# Altium PCB Evaluation Board.PcbDoc (part 4 of 22)
Units mm, origin at the board's own origin, x right, y up, seen from the top; angles counter-clockwise.
Board outline 200 x 200 mm, 4 copper layers (Top Layer, GND, Power, Bottom Layer), stack 1.56 mm thick; 639 components, 758 nets, 3043 pads, 1306 vias.
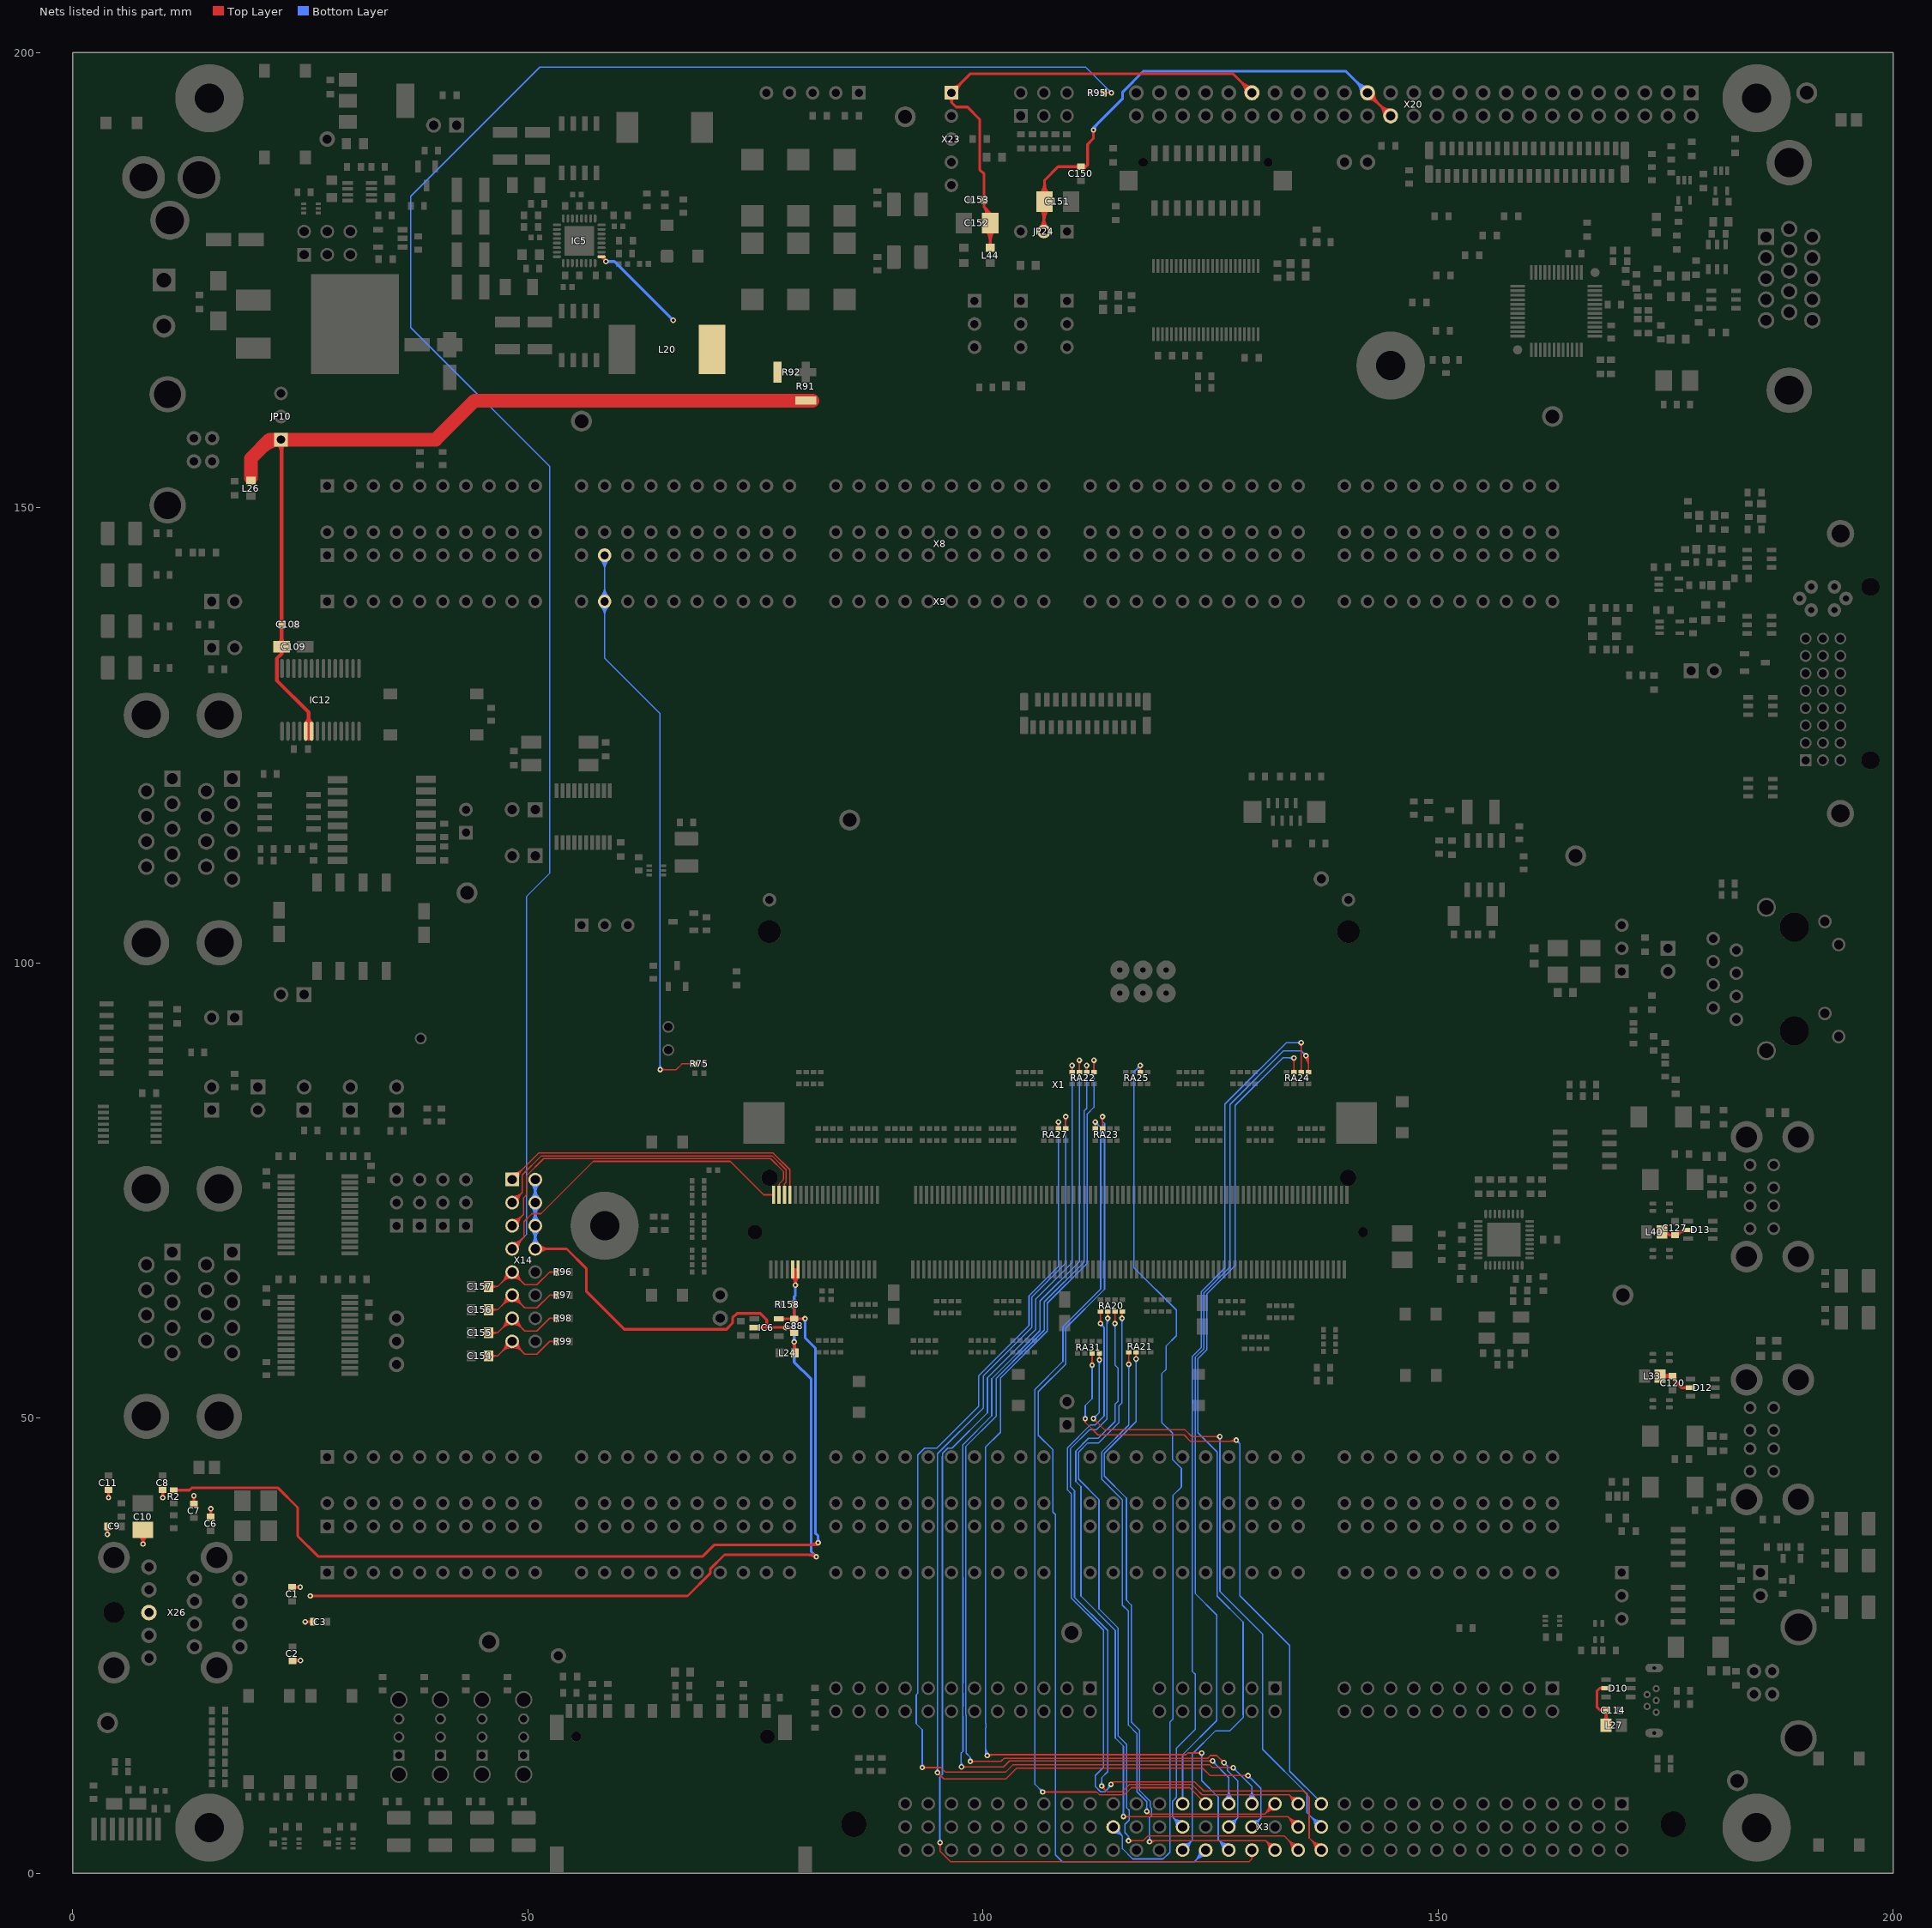
[diagram p6: the nets of this part, all layers, seen from the top]

## Via types
v1: diameter 0.6, hole 0.3, Top Layer to Bottom Layer, 1222 vias
v2: diameter 0.6, hole 0.3, Top Layer to Bottom Layer, tented both sides, 84 vias

## Nets (pads, with @x,y where several pads share a name; then routed paths per layer and width w, separated by ;. In a path a pad name is that pad's centre, name@x,y a point inside that pad or via, vN(x,y) a via of type N, cw(c..) or ccw(c..) an arc to the next point about the centre after c; other vN are vias at no path point) (continued)
5V_DISPINV: C152.1 C153.2 L44.2 X20.39 X23.1 | length 72.3
  Top Layer w0.15: X23.1@96.52,195.58 X23.1@96.545,195.555
  Top Layer w0.3: X23.1@96.227,195.057 cw(c95.922,194.513) 96.545,194.513 ; X23.1@96.52,195.58 98.62,197.68 127.44,197.68 X20.39@129.54,195.58 ; X23.1@96.52,196.18 ccw(c96.52,197.629) 97.544,196.604 ccw(c98.569,195.58) X23.1@97.12,195.58 ; X23.1@96.545,195.555 96.545,194.513 ; X23.1@96.85,195.079 ccw(c97.223,194.513) 96.545,194.513 ; C153.2@99.973,183.603 cw(c99.632,183.262) 100.114,183.262 cw(c100.597,183.262) C153.2@100.256,183.603 ; C153.2@99.973,184.036 ccw(c99.632,184.378) 100.114,184.378 ccw(c100.597,184.378) C153.2@100.256,184.036 ; C152.1@100.19,181.955 ccw(c99.539,182.444) 100.114,183.019 ; C152.1@100.259,180.524 cw(c98.979,179.244) 100.789,179.244 cw(c102.6,179.244) C152.1@101.32,180.524 ; 100.359,182.775 cw(c99.818,182.234) C152.1@100.43,181.775 ; C152.1@100.471,180.737 cw(c99.703,179.968) 100.789,179.968 cw(c101.876,179.968) C152.1@101.108,180.737 ; L44.2@100.588,178.765 ccw(c100.101,179.252) 100.789,179.252 ccw(c101.477,179.252) L44.2@100.991,178.765 ; 100.603,182.531 cw(c100.097,182.025) C152.1@100.669,181.595 ; L44.2@100.789,178.524 100.789,182.344 100.114,183.019 ; X20.39@128.865,195.58 ccw(c127.235,195.58) 128.388,196.732 ccw(c129.54,197.885) X20.39@129.54,196.255 ; X20.39@129.165,195.58 ccw(c128.26,195.58) 128.9,196.22 ccw(c129.54,196.86) X20.39@129.54,195.955 ; 96.545,194.513 97.044,194.015 98.288,194.015 99.625,192.678 99.625,187.148 100.114,186.659 C153.2@100.114,183.82 100.114,183.019
5V_ESD_1: C120.2 D12.5 L33.2 | length 9.9
  Top Layer w0.3: L33.2@174.377,54.61 C120.2@175.768,54.61 175.768,54.259 ; L33.2@174.695,54.292 cw(c175.463,53.524) 175.463,54.61 cw(c175.463,55.696) L33.2@174.695,54.928 ; 175.072,54.505 cw(c175.25,53.843) C120.2@175.593,54.437 ; 175.072,54.715 ccw(c175.25,55.377) C120.2@175.593,54.783 ; C120.2@175.552,54.469 ccw(c175.21,54.127) 175.21,54.61 ccw(c175.21,55.093) C120.2@175.552,54.751 ; C120.2@175.666,54.438 cw(c175.56,54.259) 175.768,54.259 ; C120.2@175.743,54.61 ccw(c176.529,54.61) 175.973,54.054 ; C120.2@175.87,54.438 ccw(c175.976,54.259) 175.768,54.259 ; C120.2@176.043,54.61 ccw(c177.554,54.61) 176.485,53.542 ; D12.5@177.72,53.34 176.687,53.34 175.768,54.259
5V_ESD_2: C127.2 D13.5 L40.2 | length 6
  Top Layer w0.15: D13.5@177.013,70.663 D13.5@177.466,70.663
  Top Layer w0.3: L40.2@174.586,70.433 175.067,70.433 175.4,70.1 176.013,70.1 C127.2@176.022,70.091 176.316,70.091 176.888,70.663 D13.5@177.466,70.663 ; 175.442,70.1 cw(c175.442,69.586) C127.2@175.806,69.95 ; 175.486,70.1 ccw(c175.486,70.552) C127.2@175.806,70.232 ; C127.2@176.097,70.291 ccw(c176.097,71.303) 176.812,70.587 ; 176.503,70.278 cw(c177.191,69.589) D13.5@177.191,70.563
5V_ESD_3: C114.2 D10.5 L27.1 | length 8.9
  Top Layer w0.3: L27.1@168.128,16.699 ccw(c167.36,17.467) 168.446,17.467 ccw(c169.533,17.467) L27.1@168.765,16.699 ; C114.2@168.298,17.665 cw(c167.941,17.308) 168.446,17.308 ; C114.2@168.298,17.74 ccw(c167.957,17.399) 167.957,17.882 ccw(c167.957,18.364) C114.2@168.298,18.023 ; L27.1@168.446,16.256 168.446,17.875 C114.2@168.44,17.882 167.792,17.882 167.462,18.212 167.462,20.041 167.741,20.319 D10.5@168.446,20.319 ; 168.446,17.34 cw(c168.906,17.34) C114.2@168.581,17.665
5V_PMIC: IC5.1 L20.2 R92.1 | length 12.5
  Top Layer w0.3: IC5.1@58.076,177.574 v1@58.553,177.097 ; IC5.1@58.077,177.596 ccw(c58.124,177.593) IC5.1@58.091,177.559 ; IC5.1@58.376,177.574 ccw(c58.984,177.528) v1@58.553,177.097 ; v1(58.553,177.059) v1@58.553,177.097
  Bottom Layer w0.3: v1(58.553,177.059) 59.491,177.059 v1(65.95,170.6) ; v1@58.659,176.953 cw(c58.915,176.697) 58.915,177.059 cw(c58.915,177.421) v1@58.659,177.165 ; v1@65.8,170.6 ccw(c65.438,170.6) 65.694,170.856 ccw(c65.95,171.112) v1@65.95,170.75
5V_USB_D: C108.2 C109.1 IC12.19 IC12.20 JP10.1 L26.2 R91.1 | length 116.3
  Top Layer w0.3: IC12.19@25.575,125.446 25.9,125.446 IC12.20@26.225,125.446
  Top Layer w0.4: JP10.1@22.471,157.091 cw(c21.375,155.995) 22.925,155.995 ; C109.1@22.624,135.022 ccw(c21.899,135.747) 22.925,135.747 ccw(c23.951,135.747) C109.1@23.225,135.022 ; C109.1@22.698,134.362 cw(c22.438,133.95) 22.925,133.95 ; C108.2@22.819,136.979 cw(c22.563,136.723) 22.925,136.723 cw(c23.287,136.723) C108.2@23.031,136.979 ; C108.2@22.819,137.341 ccw(c22.563,137.597) 22.925,137.597 ccw(c23.287,137.597) C108.2@23.031,137.341 ; 22.925,156.309 cw(c24.031,156.309) JP10.1@23.249,157.091 ; JP10.1@22.925,157.415 C109.1@22.925,134.721 22.925,133.95 ; C109.1@23.152,134.362 ccw(c23.412,133.95) 22.925,133.95 ; IC12.19@25.576,124.996 cw(c25.576,124.672) 25.9,124.672 ; IC12.19@25.577,125.396 cw(c25.576,125.073) 25.9,125.073 ; IC12.19@25.578,125.796 cw(c25.577,125.474) 25.9,125.474 cw(c26.224,125.473) IC12.20@26.223,125.796 ; 25.9,124.575 25.9,125.446 25.9,127.525 22.4,131.025 22.4,133.425 22.925,133.95 ; 25.9,124.671 cw(c26.225,124.671) IC12.20@26.225,124.996 ; 25.9,125.072 cw(c26.224,125.072) IC12.20@26.224,125.396 ; 25.9,125.511 cw(c27.011,125.511) 26.225,126.296 cw(c27.011,127.082) 25.9,127.082 ; 25.9,125.513 ccw(c24.792,125.513) 25.575,126.296 ccw(c24.792,127.08) 25.9,127.08
  Top Layer w1.5: L26.2@19.558,153.257 19.558,155.408 21.625,157.475 39.853,157.475 44.15,161.772 R91.1@81.25,161.772 ; 20.76,156.61 cw(c22.86,154.511) JP10.1@22.86,157.48
+V_DISPLAY: C150.2 C151.1 JP24.2 X20.28 X20.29 | length 80.4
  Top Layer w0.3: C151.1@106.224,182.887 cw(c105.122,181.785) 106.68,181.785 ; C151.1@106.224,184.397 ccw(c104.943,185.678) 106.754,185.678 ccw(c108.565,185.678) C151.1@107.284,184.397 ; JP24.2@106.256,180.764 ccw(c105.231,181.789) 106.68,181.789 ccw(c108.128,181.789) JP24.2@107.104,180.764 ; C151.1@106.436,183.099 cw(c105.846,182.509) 106.68,182.509 ; C151.1@106.436,184.185 ccw(c105.668,184.953) 106.754,184.953 ccw(c107.84,184.953) C151.1@107.072,184.185 ; JP24.2@106.68,180.34 106.68,183.568 C151.1@106.754,183.642 106.754,185.977 108.242,187.465 C150.2@110.744,187.465 111.316,187.465 111.481,187.63 ; 106.68,181.428 cw(c108.743,181.428) C151.1@107.284,182.887 ; 106.68,182.152 cw(c108.019,182.152) C151.1@107.072,183.099 ; C150.2@110.528,187.324 ccw(c110.186,186.982) 110.186,187.465 ccw(c110.186,187.948) C150.2@110.528,187.606 ; C150.2@110.753,187.39 ccw(c110.996,187.664) 111.256,187.405 ; C150.2@110.952,187.614 ccw(c111.208,187.902) 111.481,187.63 ; C150.2@110.96,187.324 cw(c111.302,186.982) 111.302,187.465 cw(c111.302,187.948) C150.2@110.96,187.606 ; v1@112.019,191.394 cw(c111.763,191.138) 112.125,191.138 cw(c112.487,191.138) v1@112.231,191.394 ; v1(112.125,191.5) 112.125,190.56 111.481,189.916 111.481,187.63 ; X20.29@142.24,194.905 cw(c142.24,193.275) 143.392,194.428 cw(c144.545,195.58) X20.29@142.915,195.58 ; X20.29@142.24,195.205 cw(c142.24,194.3) 142.88,194.94 cw(c143.52,195.58) X20.29@142.615,195.58 ; X20.29@142.24,195.58 X20.28@144.78,193.04 ; X20.28@144.105,193.04 ccw(c142.475,193.04) 143.628,194.192 ccw(c144.78,195.345) X20.28@144.78,193.715 ; X20.28@144.405,193.04 ccw(c143.5,193.04) 144.14,193.68 ccw(c144.78,194.32) X20.28@144.78,193.415
  Bottom Layer w0.3: v1(112.125,191.5) 112.09,191.534 112.09,191.697 115.335,194.942 115.335,195.666 117.619,197.95 139.87,197.95 X20.29@142.24,195.58 ; v1@112.275,191.5 cw(c113.196,191.5) 112.545,192.152 ; X20.29@141.565,195.58 ccw(c139.935,195.58) 141.088,196.732 ccw(c142.24,197.885) X20.29@142.24,196.255 ; X20.29@141.865,195.58 ccw(c140.96,195.58) 141.6,196.22 ccw(c142.24,196.86) X20.29@142.24,195.955
ADDR_0: RA31.6 X3.A14 | length 75.1
  Top Layer w0.15: v1@111.111,49.731 cw(c110.994,49.532) 111.225,49.532 ; v1(111.225,49.925) 111.225,49.532 ; v1@111.339,49.731 ccw(c111.456,49.532) 111.225,49.532 ; v1@111.817,55.963 ccw(c111.433,56.347) 111.976,56.347 ccw(c112.519,56.347) v1@112.135,55.963 ; RA31.6@111.852,56.996 cw(c111.554,56.697) 111.976,56.697 cw(c112.398,56.697) RA31.6@112.1,56.996 ; v1(111.976,55.804) RA31.6@111.976,57.12 ; 126.922,47.43 ccw(c126.922,48.465) v1@127.654,47.733 ; 127.284,47.43 ccw(c127.284,48.103) v1@127.76,47.627 ; v1(127.813,47.574) 127.669,47.43 122.801,47.43 122.081,48.15 112.607,48.15 111.225,49.532
  Bottom Layer w0.15: v1@111.066,50.084 ccw(c110.682,50.468) 111.225,50.468 ccw(c111.768,50.468) v1@111.384,50.084 ; v1(111.225,49.925) 111.225,51.375 111.976,52.126 v1(111.976,55.804) ; v1@111.817,55.645 cw(c111.433,55.261) 111.976,55.261 cw(c112.519,55.261) v1@112.135,55.645 ; v1@127.813,47.349 cw(c127.813,46.806) 128.197,47.19 cw(c128.581,47.574) v1@128.038,47.574 ; v1(127.813,47.574) 128.203,47.184 128.203,30.472 133.675,25 133.675,11.214 137.16,7.729 X3.A14@137.16,7.62
ADDR_1: RA31.5 X3.B14 | length 80.6
  Top Layer w0.15: v1@112.116,49.711 cw(c112.116,49.168) 112.5,49.552 cw(c112.884,49.936) v1@112.341,49.936 ; v1(112.116,49.936) 113.348,48.704 122.196,48.704 122.945,47.955 v1(126.009,47.955) ; RA31.5@112.652,56.996 cw(c112.354,56.697) 112.776,56.697 cw(c113.198,56.697) RA31.5@112.9,56.996 ; v1(112.776,56.388) RA31.5@112.776,57.12 ; v1@125.85,47.796 ccw(c125.466,47.412) 125.466,47.955 ccw(c125.466,48.498) v1@125.85,48.114
  Bottom Layer w0.15: v1(112.116,49.936) 112.776,50.597 v1(112.776,56.388) ; v1@112.116,50.161 ccw(c112.116,50.705) 112.5,50.321 ccw(c112.884,49.936) v1@112.341,49.936 ; v1@112.617,56.229 cw(c112.233,55.845) 112.776,55.845 cw(c113.319,55.845) v1@112.935,56.229 ; v1@125.85,47.796 cw(c125.429,47.374) 126.025,47.374 ; 126.025,47.45 cw(c126.515,47.45) v1@126.168,47.796 ; v1@126.025,47.955 126.025,30.95 130.718,26.257 130.718,13.615 135.595,8.738 135.595,6.645 X3.B14@137.16,5.08 ; X3.B14@136.485,5.08 ccw(c134.855,5.08) 136.008,6.232 ccw(c137.16,7.385) X3.B14@137.16,5.755 ; X3.B14@136.635,5.08 ccw(c135.368,5.08) 136.264,5.976 ccw(c137.16,6.872) X3.B14@137.16,5.605 ; X3.B14@136.785,5.08 ccw(c135.88,5.08) 136.52,5.72 ccw(c137.16,6.36) X3.B14@137.16,5.455
ADDR_2: RA20.8 X3.C14 | length 97.7
  Top Layer w0.15: v1@112.732,60.535 ccw(c112.347,60.919) 112.891,60.919 ccw(c113.434,60.919) v1@113.05,60.535 ; RA20.8@112.767,61.568 cw(c112.468,61.269) 112.891,61.269 cw(c113.313,61.269) RA20.8@113.014,61.568 ; v1(112.891,60.376) RA20.8@112.891,61.692 ; v1(114.05,9.75) 114.325,10.025 ; v1@114.109,9.967 ccw(c114.167,10.183) 114.325,10.025 ; v1@114.267,9.809 cw(c114.483,9.867) 114.325,10.025 ; X3.C14@136.485,2.54 ccw(c134.855,2.54) 136.008,3.692 ccw(c137.16,4.845) X3.C14@137.16,3.215 ; X3.C14@136.635,2.54 ccw(c135.368,2.54) 136.264,3.436 ccw(c137.16,4.332) X3.C14@137.16,3.065 ; X3.C14@136.785,2.54 ccw(c135.88,2.54) 136.52,3.18 ccw(c137.16,3.82) X3.C14@137.16,2.915 ; X3.C14@137.16,2.54 135.825,3.875 135.825,8.382 135.182,9.025 124.25,9.025 123.25,10.025 114.325,10.025
  Bottom Layer w0.15: v1@112.891,60.151 cw(c112.891,59.608) 113.275,59.992 cw(c113.659,60.376) v1@113.116,60.376 ; v1(112.891,60.376) 113.301,59.965 113.301,50.226 112.325,49.25 111.79,49.25 109.285,46.745 109.285,42.09 109.675,41.7 109.675,30.249 113.225,26.699 113.225,11.631 112.325,10.731 112.325,9.525 112.9,8.95 113.395,8.95 114.05,9.605 v1(114.05,9.75) ; 113.564,9.119 ccw(c112.932,9.75) v1@113.825,9.75 ; 113.82,9.375 ccw(c113.444,9.75) v1@113.975,9.75 ; 113.913,9.468 cw(c114.05,9.331) v1@114.05,9.525
ADDR_3: RA20.7 X3.A15 | length 87.6
  Top Layer w0.15: v1@113.025,9.35 cw(c113.025,8.928) 113.324,9.226 ; v1(113.025,9.575) 113.025,9.525 113.626,8.924 115.249,8.924 116.048,9.723 122.951,9.723 123.381,9.294 124.064,8.611 133.629,8.611 ; v1@113.25,9.575 ccw(c113.914,9.575) 113.444,9.106 ; RA20.7@113.567,61.568 cw(c113.268,61.269) 113.691,61.269 cw(c114.113,61.269) RA20.7@113.814,61.568 ; v1(113.691,60.96) RA20.7@113.691,61.692 ; X3.A15@133.949,7.696 ccw(c132.84,7.821) 133.629,8.611 ; X3.A15@134.098,7.679 ccw(c133.236,7.777) 133.85,8.39 ccw(c134.463,9.004) X3.A15@134.561,8.142 ; X3.A15@134.247,7.662 ccw(c133.631,7.732) 134.07,8.17 ccw(c134.508,8.609) X3.A15@134.578,7.993 ; X3.A15@134.544,8.291 cw(c134.419,9.4) 133.629,8.611 ; X3.A15@134.62,7.62 133.629,8.611
  Bottom Layer w0.15: v1@112.866,9.734 ccw(c112.482,10.118) 113.025,10.118 ccw(c113.568,10.118) v1@113.184,9.734 ; v1(113.025,9.575) 113.025,10.475 113.7,11.15 113.7,26.648 110.05,30.298 110.05,42.025 109.585,42.49 109.585,46.621 111.689,48.725 112.45,48.725 113.623,49.898 113.623,60.892 v1(113.691,60.96) ; v1@113.532,60.801 cw(c113.312,60.581) 113.623,60.581 ; 113.623,60.253 cw(c114.398,60.253) v1@113.85,60.801 ; 113.623,60.615 cw(c114.036,60.615) v1@113.744,60.907
ADDR_4: RA20.6 X3.B15 | length 89.8
  Top Layer w0.15: v1@114.332,60.535 ccw(c113.947,60.919) 114.491,60.919 ccw(c115.034,60.919) v1@114.65,60.535 ; RA20.6@114.367,61.568 cw(c114.068,61.269) 114.491,61.269 cw(c114.913,61.269) RA20.6@114.614,61.568 ; v1(114.491,60.376) RA20.6@114.491,61.692 ; v2(115.418,6.223) 115.443,6.198 133.502,6.198 ; v2@115.577,6.064 cw(c115.899,5.741) 115.899,6.198 ; v2@115.577,6.382 ccw(c116.022,6.828) 116.022,6.198 ; X3.B15@133.945,5.095 ccw(c132.433,5.128) 133.502,6.198 ; X3.B15@134.095,5.091 ccw(c132.919,5.117) 133.751,5.949 ccw(c134.583,6.781) X3.B15@134.609,5.605 ; X3.B15@134.245,5.088 ccw(c133.405,5.107) 133.999,5.701 ccw(c134.593,6.295) X3.B15@134.612,5.455 ; X3.B15@134.605,5.755 cw(c134.572,7.267) 133.502,6.198 ; X3.B15@134.62,5.08 133.502,6.198
  Bottom Layer w0.15: v1@114.332,60.217 cw(c113.947,59.833) 114.491,59.833 cw(c115.034,59.833) v1@114.65,60.217 ; v1(114.491,60.376) 114.491,55.809 114.825,55.475 114.825,51.85 114.491,51.516 114.491,49.616 112.65,47.775 111.588,47.775 110.185,46.372 110.185,43.04 110.75,42.475 110.75,30.446 114.527,26.669 114.527,14.844 115.418,13.954 v2(115.418,6.223) ; v2@115.259,6.382 ccw(c114.874,6.766) 115.418,6.766 ccw(c115.961,6.766) v2@115.577,6.382
ADDR_5: RA20.5 X3.C15 | length 92.1
  Top Layer w0.15: RA20.5@115.117,61.568 cw(c114.759,61.21) v1@115.265,61.21 ; v1(115.265,60.96) 115.265,61.667 RA20.5@115.291,61.692 ; 115.265,61.329 cw(c115.604,61.329) RA20.5@115.364,61.568 ; v2(115.976,3.556) 117.582,3.556 118.102,4.076 133.084,4.076 X3.C15@134.62,2.54 ; v2@116.135,3.397 cw(c116.52,3.013) 116.52,3.556 cw(c116.52,4.099) v2@116.135,3.715 ; X3.C15@133.945,2.54 ccw(c132.315,2.54) 133.468,3.692 ccw(c134.62,4.845) X3.C15@134.62,3.215 ; X3.C15@134.095,2.54 ccw(c132.828,2.54) 133.724,3.436 ccw(c134.62,4.332) X3.C15@134.62,3.065 ; X3.C15@134.245,2.54 ccw(c133.34,2.54) 133.98,3.18 ccw(c134.62,3.82) X3.C15@134.62,2.915
  Bottom Layer w0.15: v1@115.106,60.801 cw(c114.722,60.417) 115.265,60.417 cw(c115.808,60.417) v1@115.424,60.801 ; v1(115.265,60.96) 115.265,51.669 114.943,51.348 114.943,49.518 112.7,47.275 111.512,47.275 110.485,46.248 110.485,43.294 112.735,41.044 112.735,29.04 114.85,26.925 114.85,15.075 115.79,14.135 115.79,7.171 116.05,6.911 116.05,5.839 115.575,5.364 115.575,4.45 115.976,4.049 ; v2@115.829,3.726 ccw(c115.55,4.049) 115.976,4.049 ; v2(115.976,3.556) 115.976,4.049 ; v2@116.124,3.726 cw(c116.403,4.049) 115.976,4.049
ADDR_6: RA21.8 X3.A16 | length 77.9
  Top Layer w0.15: v1@115.856,56.064 ccw(c115.472,56.449) 116.015,56.449 ccw(c116.558,56.449) v1@116.174,56.064 ; RA21.8@115.891,57.098 cw(c115.592,56.799) 116.015,56.799 cw(c116.437,56.799) RA21.8@116.139,57.098 ; v1(116.015,55.905) RA21.8@116.015,57.222 ; v2(117.983,6.782) 118.267,6.498 ; v2@118.035,6.563 cw(c118.093,6.323) 118.267,6.498 ; v2@118.202,6.729 ccw(c118.441,6.672) 118.267,6.498 ; X3.A16@131.405,7.607 cw(c129.877,7.579) 130.958,6.498 ; X3.A16@131.555,7.61 cw(c130.366,7.588) 131.207,6.747 cw(c132.048,5.906) X3.A16@132.07,7.095 ; X3.A16@131.705,7.613 cw(c130.856,7.597) 131.456,6.996 cw(c132.057,6.396) X3.A16@132.073,7.245 ; X3.A16@132.067,6.945 ccw(c132.039,5.417) 130.958,6.498 ; X3.A16@132.08,7.62 130.958,6.498 ; 118.267,6.498 130.958,6.498
  Bottom Layer w0.15: v1@115.856,55.746 cw(c115.472,55.362) 116.015,55.362 cw(c116.558,55.362) v1@116.174,55.746 ; v1(116.015,55.905) 116.015,49.238 113.025,46.248 113.025,43.294 115.3,41.019 115.3,29.45 115.975,28.775 115.975,16.263 116.904,15.334 116.904,8.935 117.983,7.856 v2(117.983,6.782) ; v2@117.824,6.941 ccw(c117.44,7.325) 117.983,7.325 ccw(c118.526,7.325) v2@118.142,6.941
ADDR_7: RA21.7 X3.C16 | length 80.5
  Top Layer w0.15: RA21.7@116.691,57.098 cw(c116.392,56.799) 116.815,56.799 cw(c117.237,56.799) RA21.7@116.939,57.098 ; v1(116.815,56.49) RA21.7@116.815,57.222 ; v2(118.288,3.454) 118.415,3.581 131.039,3.581 ; v2@118.341,3.401 cw(c118.775,2.967) 118.775,3.581 ; v2@118.447,3.295 cw(c119.138,2.605) 119.138,3.581 ; X3.C16@131.407,2.59 ccw(c130.141,2.684) 131.039,3.581 ; X3.C16@131.556,2.579 ccw(c130.572,2.652) 131.27,3.35 ccw(c131.968,4.048) X3.C16@132.041,3.064 ; X3.C16@131.706,2.568 ccw(c131.003,2.62) 131.501,3.119 ccw(c132,3.617) X3.C16@132.052,2.914 ; X3.C16@132.03,3.213 cw(c131.936,4.479) 131.039,3.581 ; X3.C16@132.08,2.54 131.039,3.581
  Bottom Layer w0.15: v1@116.656,56.331 cw(c116.272,55.946) 116.815,55.946 cw(c117.358,55.946) v1@116.974,56.331 ; v1(116.815,56.49) 116.815,49.614 113.325,46.124 113.325,43.625 115.75,41.2 115.75,30 116.275,29.475 116.275,16.61 117.204,15.681 117.204,9.059 118.35,7.913 118.35,7.271 118.525,7.096 118.525,6.327 118.288,6.09 v2(118.288,3.454) ; v2@118.129,3.613 ccw(c117.745,3.998) 118.288,3.998 ccw(c118.831,3.998) v2@118.447,3.613
ADDR_8: RA27.7 X3.A17 | length 129.7
  Top Layer w0.15: v1(93.32,11.608) 93.327,11.6 95.35,11.6 95.825,11.125 102.5,11.125 103.3,11.925 124.883,11.925 125.191,11.616 127.449,11.616 v1(127.483,11.582) ; v1@93.479,11.449 cw(c93.844,11.083) 93.844,11.6 ; v1@93.479,11.767 ccw(c93.882,12.17) 93.882,11.6 ; RA27.7@108.156,81.916 ccw(c107.858,82.215) 108.28,82.215 ccw(c108.702,82.215) RA27.7@108.404,81.916 ; RA27.7@108.28,81.793 v1(108.28,82.525) ; 126.858,11.616 cw(c126.858,10.958) v1@127.324,11.423 ; 127.021,11.616 ccw(c127.021,12.044) v1@127.324,11.741
  Bottom Layer w0.15: v1@93.161,11.767 ccw(c92.788,12.139) 93.315,12.139 ; 93.315,12.163 ccw(c93.874,12.163) v1@93.479,11.767 ; v1(93.32,11.608) 93.315,11.613 93.315,15.76 92.659,16.416 92.659,19.609 92.812,19.761 92.812,45.93 93.576,46.695 94.92,46.695 99.529,51.304 99.529,54.654 105.05,60.175 105.05,63.426 108.28,66.656 v1(108.28,82.525) ; v1@108.121,82.366 cw(c107.737,81.981) 108.28,81.981 cw(c108.823,81.981) v1@108.439,82.366 ; v1@127.483,11.357 cw(c127.483,10.814) 127.867,11.198 cw(c128.251,11.582) v1@127.708,11.582 ; v1(127.483,11.582) 129.54,9.525 X3.A17@129.54,7.62 ; X3.A17@129.063,8.097 ccw(c127.91,9.25) 129.54,9.25 ccw(c131.17,9.25) X3.A17@130.017,8.097 ; X3.A17@129.169,7.991 ccw(c128.273,8.887) 129.54,8.887 ccw(c130.807,8.887) X3.A17@129.911,7.991 ; X3.A17@129.275,7.885 ccw(c128.635,8.525) 129.54,8.525 ccw(c130.445,8.525) X3.A17@129.805,7.885
ADDR_9: RA27.8 X3.B17 | length 131.4
  Top Layer w0.15: v1@94.996,10.824 cw(c94.996,10.281) 95.38,10.665 cw(c95.764,11.049) v1@95.221,11.049 ; v1(94.996,11.049) 95.695,10.35 102.5,10.35 103.675,11.525 124.125,11.525 124.931,10.719 v1(129.108,10.719) ; v1@108.921,82.95 cw(c108.537,82.566) 109.08,82.566 cw(c109.623,82.566) v1@109.239,82.95 ; RA27.8@108.956,81.916 ccw(c108.658,82.215) 109.08,82.215 ccw(c109.502,82.215) RA27.8@109.204,81.916 ; RA27.8@109.08,81.793 v1(109.08,83.109) ; v1@128.949,10.56 ccw(c128.565,10.176) 128.565,10.719 ccw(c128.565,11.262) v1@128.949,10.878